# Allegro board 8880F5-0820_5.brd (continued)
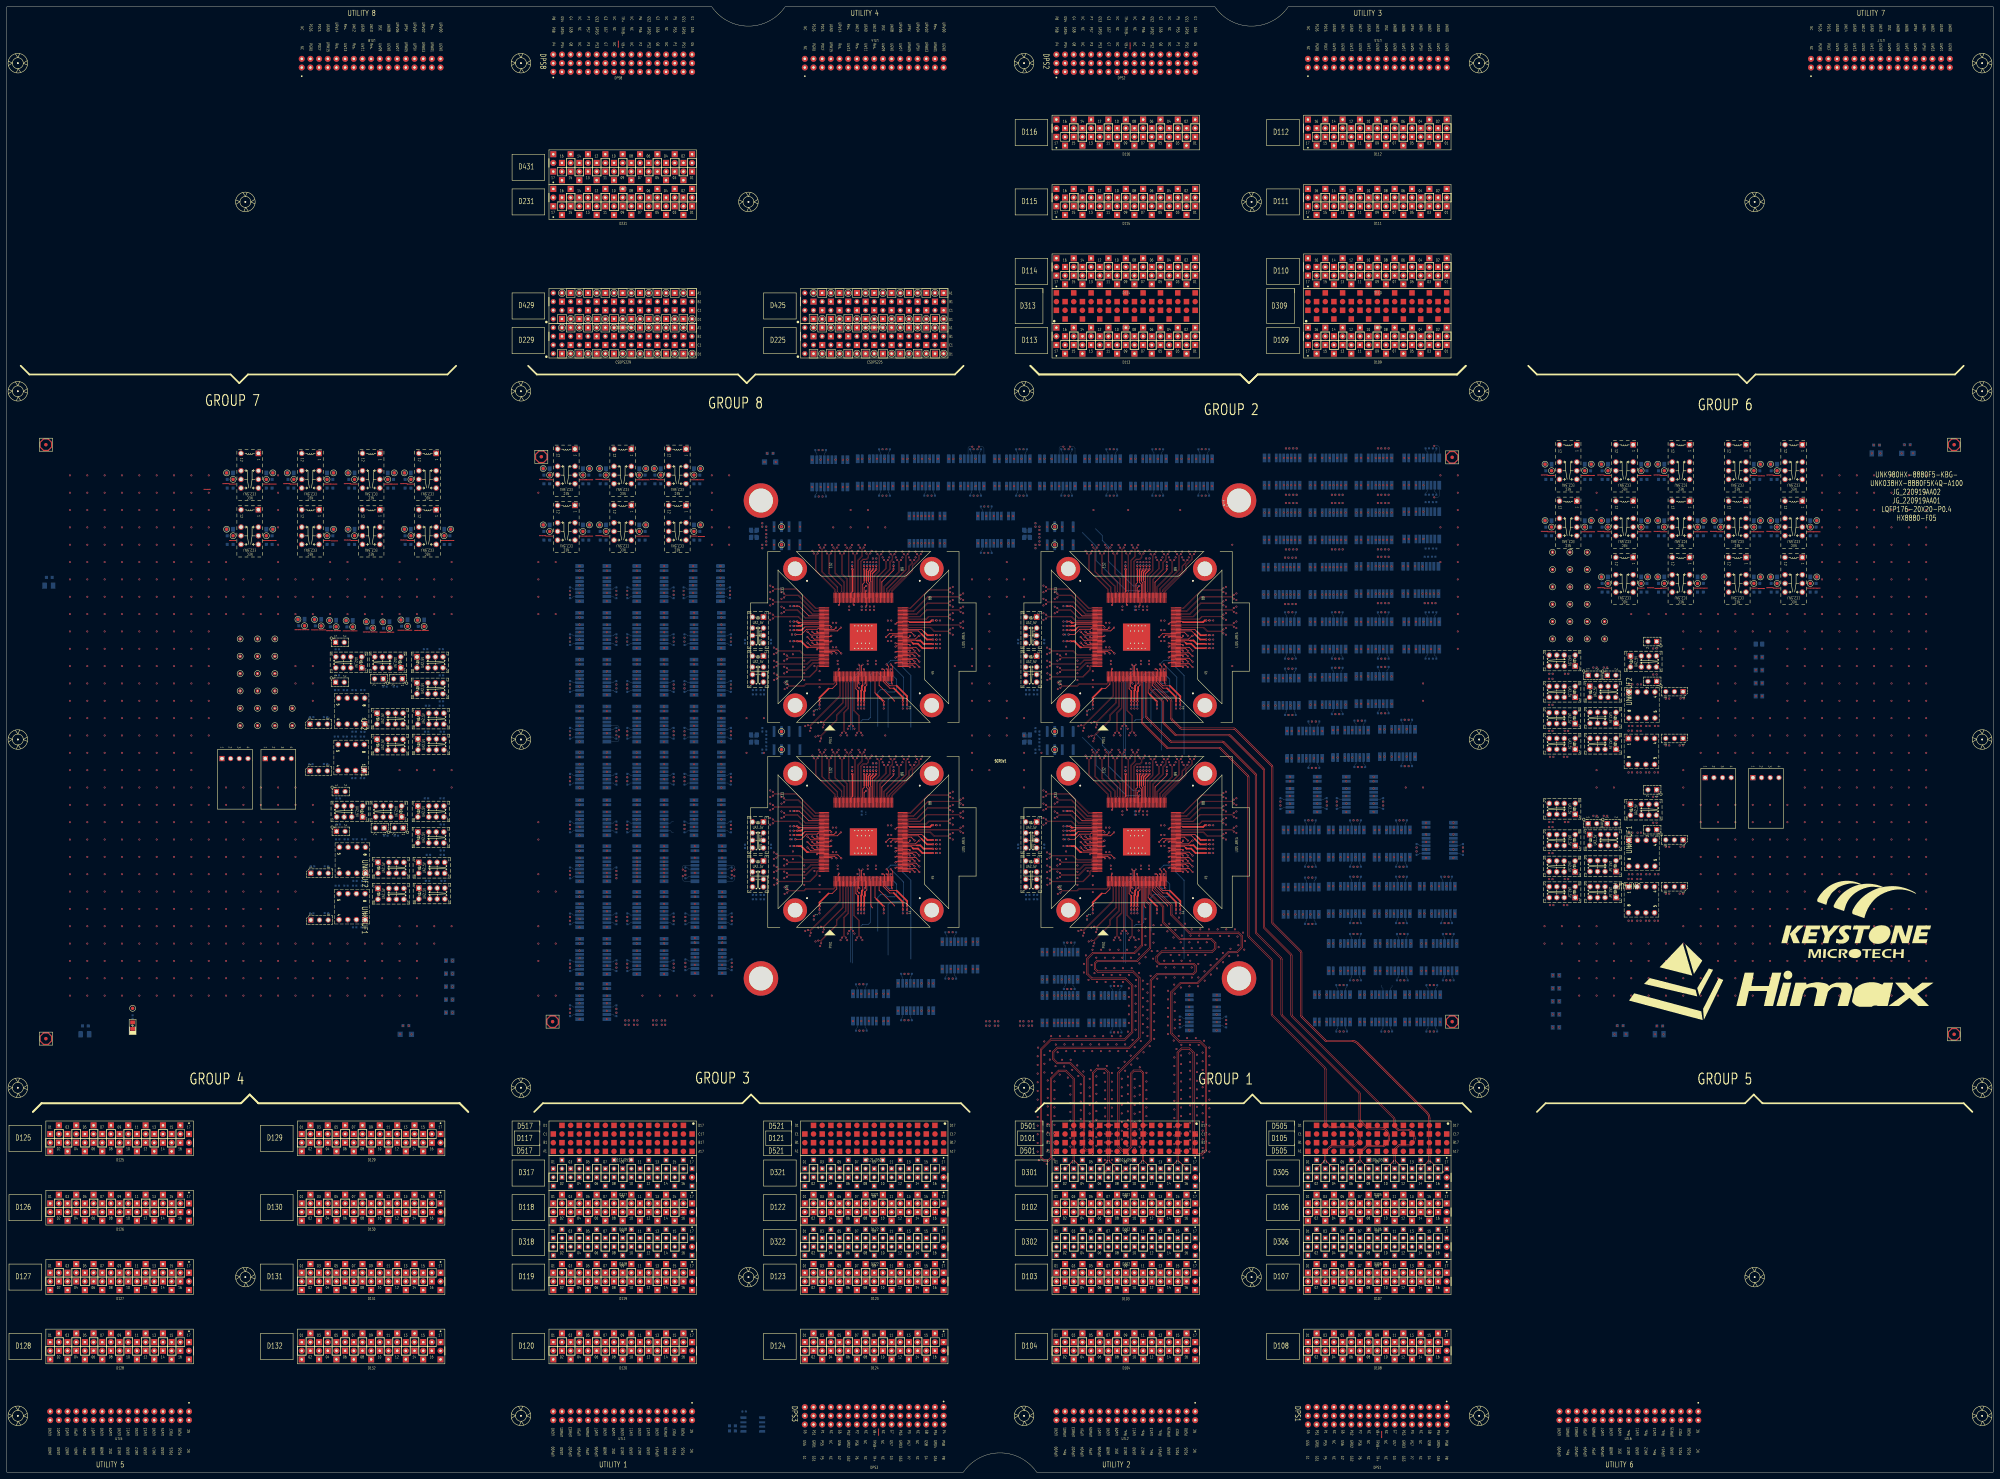
[diagram p0: board, top side]
## Routing (per net, layer and track width the routed paths; a pad name or vN(x,y) marks a point on that pad's centre or on a via; arc(x,y) is an arc through that point) (continued)
D30508: length 192.4
  TOP w0.147: D305.08 396.63,91.05 arc(396.47,91.29) 396.41,91.58 396.41,93.35 arc(396.44,93.48) 396.51,93.6 398.18,95.27 arc(398.29,95.34) 398.42,95.37 403,95.37 arc(403.39,95.45) 403.71,95.67 404.29,96.24 arc(404.75,96.93) 404.91,97.73 404.91,98.2 arc(404.68,99.36) 404.02,100.35 404.02,100.35 arc(403.39,100.76) 402.65,100.91 398.73,100.91 arc(398.6,100.94) 398.49,101.01 396.44,103.06 arc(396.37,103.17) 396.34,103.3 396.34,110.85 arc(396.28,111.13) 396.12,111.37 373.56,133.93 arc(373.49,134.04) 373.46,134.17 373.46,150.26 arc(373.41,150.54) 373.25,150.78 366.06,157.97 arc(365.98,158.08) 365.96,158.21 365.96,204.16 arc(365.9,204.44) 365.74,204.68 356.46,213.96 arc(356.22,214.12) 355.94,214.17 341.07,214.17 arc(340.94,214.2) 340.83,214.27 333.93,221.18 arc(333.85,221.29) 333.83,221.42 333.83,231.32 333.83,231.33 SITE2.30
D30510: length 192.4
  TOP w0.147: D305.10 405.97,91.01 arc(406.13,91.25) 406.19,91.53 406.19,94.3 arc(406.25,94.61) 406.42,94.87 407.29,95.74 arc(407.55,95.91) 407.86,95.97 410.79,95.97 arc(411.11,96.04) 411.38,96.22 arc(411.86,96.94) 412.03,97.79 412.03,97.79 arc(411.82,98.82) 411.24,99.69 arc(410.82,99.97) 410.32,100.07 407.7,100.07 arc(407.42,100.12) 407.18,100.28 406.33,101.13 arc(406.17,101.37) 406.12,101.65 406.12,103.38 arc(406.09,103.51) 406.02,103.62 376.2,133.44 arc(376.04,133.68) 375.98,133.97 375.98,151.27 arc(375.95,151.4) 375.88,151.51 368.14,159.26 arc(367.98,159.49) 367.92,159.78 367.92,205.65 arc(367.9,205.78) 367.82,205.89 358.11,215.6 arc(358,215.68) 357.87,215.7 342.53,215.7 arc(342.25,215.76) 342.01,215.92 338.61,219.32 arc(338.45,219.56) 338.4,219.84 338.4,225.54 arc(338.37,225.67) 338.3,225.79 334.85,229.24 arc(334.69,229.47) 334.63,229.76 334.63,231.32 334.63,231.33 SITE2.32
D30512: length 192.4
  TOP w0.147: D305.12 406.8,91.04 arc(406.64,91.28) 406.58,91.56 406.58,94.3 arc(406.61,94.46) 406.71,94.59 407.57,95.46 arc(407.7,95.55) 407.86,95.58 410.79,95.58 arc(411.26,95.67) 411.66,95.94 arc(412.22,96.79) 412.42,97.79 412.42,97.79 arc(412.19,98.97) 411.52,99.97 411.52,99.97 arc(410.97,100.34) 410.32,100.46 407.7,100.46 arc(407.57,100.49) 407.46,100.56 406.61,101.41 arc(406.54,101.52) 406.51,101.65 406.51,103.38 arc(406.46,103.67) 406.3,103.9 376.48,133.72 arc(376.4,133.84) 376.38,133.97 376.38,151.27 arc(376.32,151.56) 376.16,151.79 368.42,159.54 arc(368.35,159.65) 368.32,159.78 368.32,205.65 arc(368.26,205.93) 368.1,206.17 358.39,215.88 arc(358.15,216.04) 357.87,216.1 342.53,216.1 arc(342.4,216.12) 342.29,216.2 338.89,219.6 arc(338.82,219.71) 338.79,219.84 338.79,225.54 arc(338.74,225.83) 338.58,226.07 335.13,229.52 arc(335.05,229.63) 335.03,229.76 335.03,231.32 335.03,231.33 SITE2.33
D30514: length 192.4
  TOP w0.147: SITE2.35 335.83,231.33 335.83,231.32 335.83,230.95 340.67,226.11 arc(340.75,226) 340.77,225.87 340.77,220.87 arc(340.83,220.59) 340.99,220.35 343.49,217.85 arc(343.73,217.69) 344.01,217.63 359.3,217.63 arc(359.44,217.61) 359.55,217.53 370.26,206.82 arc(370.33,206.71) 370.36,206.58 370.36,161.11 arc(370.41,160.82) 370.57,160.58 378.75,152.41 arc(378.82,152.3) 378.85,152.17 378.85,133.76 arc(378.9,133.48) 379.06,133.24 385.97,126.33 arc(386.21,126.17) 386.49,126.11 393.9,126.11 arc(394.7,125.95) 395.38,125.5 415.74,105.14 arc(416.2,104.46) 416.36,103.65 416.36,91.54 arc(416.3,91.26) 416.14,91.02 D305.14
D30516: length 192.4
  TOP w0.147: SITE2.36 336.23,231.33 336.23,231.32 336.23,231.12 340.95,226.39 arc(341.11,226.15) 341.17,225.87 341.17,220.87 arc(341.2,220.74) 341.27,220.63 343.77,218.13 arc(343.88,218.05) 344.01,218.03 359.3,218.03 arc(359.59,217.97) 359.83,217.81 370.54,207.1 arc(370.7,206.86) 370.75,206.58 370.75,161.11 arc(370.78,160.98) 370.85,160.86 379.03,152.69 arc(379.19,152.45) 379.24,152.17 379.24,133.76 arc(379.27,133.63) 379.34,133.52 386.25,126.61 arc(386.36,126.54) 386.49,126.51 393.9,126.51 arc(394.86,126.32) 395.66,125.78 416.03,105.42 arc(416.57,104.61) 416.76,103.65 416.76,91.55 arc(416.81,91.27) 416.97,91.03 D305.16
Net_1: length 1.5
  TOP w0.231: v1(309.4,245.39) 309.91,245.39 ; v1(229.4,185.39) 229.91,185.39 ; v1(309.4,185.39) 309.91,185.39
  vias: v1(223.55,259.7) v1(223.55,257.77) v1(223.55,255.84) v1(223.55,253.92) v1(223.55,251.61) v1(223.55,249.68) v1(223.55,199.7) v1(223.55,197.77) v1(223.55,195.84) v1(223.55,193.92) v1(223.55,191.61) v1(223.55,189.68) v1(224.6,241.56) v1(224.6,239.63) v1(224.64,237.71) v1(224.64,235.78) v1(224.6,181.56) v1(224.6,179.63) v1(224.64,177.71) v1(224.64,175.78) v1(224.7,234) v1(224.7,232.07) v1(224.7,174) v1(224.7,172.07) v1(226.85,257.77) v1(226.85,255.84) v1(226.85,253.53) v1(226.85,251.61) v1(226.85,197.77) v1(226.85,195.84) v1(226.85,193.54) v1(226.85,191.61) v1(227.63,239.65) v1(227.63,237.72) v1(227.65,235.93) v1(227.65,234) v1(227.63,179.65) v1(227.63,177.72) v1(227.65,175.93) v1(227.65,174) v1(227.75,231.32) v1(227.75,229.39) v1(227.75,171.32) v1(227.75,169.39) v1(230.19,241.84) v1(230.19,239.59) v1(230.19,181.84) v1(230.19,179.59) v1(233.79,218.54) v1(233.79,158.54) v1(235.15,217.18) v1(235.15,157.18) v1(235.89,269.91) v1(235.89,209.91) v1(236.8,215.47) v1(236.8,155.47) v1(237.59,219.55) v1(237.59,159.55) v1(237.77,271.64) v1(237.77,211.64) v1(237.82,269.91) v1(237.82,209.91) v1(238.17,214.11) v1(238.17,154.11) v1(238.96,218.18) v1(238.96,158.18) v1(239.69,271.64) v1(239.75,269.91) v1(239.69,211.64) v1(239.75,209.91) v1(241.62,271.64) v1(241.68,269.91) v1(241.62,211.64) v1(241.68,209.91) v1(243.55,271.64) v1(243.55,211.64) v1(243.61,269.91) v1(243.61,209.91) v1(244.15,215.84) v1(244.15,155.84) v1(245.54,271.63) v1(245.54,269.91) v1(245.54,211.63) v1(245.54,209.91) v1(246.08,215.84) v1(246.08,155.84) v1(246.26,217.79) v1(246.26,157.79) v1(247.47,271.63) v1(247.4,269.91) v1(247.47,211.63) v1(247.4,209.91) v1(248.19,217.79) v1(248.19,157.79) v1(248.6,215.85) v1(248.6,155.85) v1(249.33,269.91) v1(249.33,209.91) v1(249.39,271.63) v1(249.39,211.63) v1(250.53,215.85) v1(250.53,155.85) v1(251.32,271.63) v1(251.32,269.91) v1(251.32,211.63) v1(251.32,209.91) v1(253.25,269.91) v1(253.25,209.91) v1(254.53,269.69) v1(254.53,209.69) v1(256.46,269.69) v1(256.46,267.97) v1(256.46,209.69) v1(256.46,207.97) v1(258.39,269.69) v1(258.39,267.97) v1(258.39,209.69) v1(258.39,207.97) v1(260.32,269.69) v1(260.32,267.97) v1(260.32,209.69) v1(260.32,207.97) v1(262.25,269.69) v1(262.25,267.97) v1(262.25,209.69) v1(262.25,207.97) v1(264.18,269.69) v1(264.18,267.97) v1(264.18,209.69) v1(264.18,207.97) v1(266.11,269.69) v1(266.11,267.97) v1(266.11,209.69) v1(266.11,207.97) v1(268.04,269.69) v1(268.04,209.69) v1(277,259.34) v1(277,257.41) v1(277,255.48) v1(277,253.56) v1(277,251.63) v1(277,249.7) v1(277,247.27) v1(277,245.34) v1(277,199.34) v1(277,197.41) v1(277,195.49) v1(277,193.56) v1(277,191.63) v1(277,189.7) v1(277,187.27) v1(277,185.34) v1(280.05,257.41) v1(280.05,255.48) v1(280.05,253.56) v1(280.05,251.63) v1(280.05,249.19) v1(280.05,247.27) v1(280.05,197.41) v1(280.05,195.49) v1(280.05,193.56) v1(280.05,191.63) v1(280.05,189.19) v1(280.05,187.27) v1(303.55,259.7) v1(303.55,257.77) v1(303.55,255.84) v1(303.55,253.92) v1(303.55,251.61) v1(303.55,249.68) v1(303.55,199.7) v1(303.55,197.77) v1(303.55,195.84) v1(303.55,193.92) v1(303.55,191.61) v1(303.55,189.68) v1(304.6,241.56) v1(304.6,239.63) v1(304.64,237.71) v1(304.64,235.78) v1(304.6,181.56) v1(304.6,179.63) v1(304.64,177.71) v1(304.64,175.78) v1(304.7,234) v1(304.7,232.07) v1(304.7,174) v1(304.7,172.07) v1(306.85,257.77) v1(306.85,255.84) v1(306.85,253.53) v1(306.85,251.61) v1(306.85,197.77) v1(306.85,195.84) v1(306.85,193.54) v1(306.85,191.61) v1(307.63,239.65) v1(307.63,237.72) v1(307.65,235.93) v1(307.65,234) v1(307.63,179.65) v1(307.63,177.72) v1(307.65,175.93) v1(307.65,174) v1(307.75,231.32) v1(307.75,229.39) v1(307.75,171.32) v1(307.75,169.39) v1(310.19,241.84) v1(310.19,239.59) v1(310.19,181.84) v1(310.19,179.59) v1(313.79,218.54) v1(313.79,158.54) v1(315.15,217.18) v1(315.15,157.18) v1(315.89,269.91) v1(315.89,209.91) v1(316.8,215.47) v1(316.8,155.47) v1(317.59,219.55) v1(317.59,159.55) v1(317.77,271.64) v1(317.77,211.64) v1(317.82,269.91) v1(317.82,209.91) v1(318.16,214.11) v1(318.16,154.11) v1(318.95,218.18) v1(318.95,158.18) v1(319.69,271.64) v1(319.75,269.91) v1(319.69,211.64) v1(319.75,209.91) v1(321.62,271.64) v1(321.68,269.91) v1(321.62,211.64) v1(321.68,209.91) v1(323.55,271.64) v1(323.55,211.64) v1(323.61,269.91) v1(323.61,209.91) v1(324.15,215.84) v1(324.15,155.84) v1(325.54,271.63) v1(325.54,269.91) v1(325.54,211.63) v1(325.54,209.91) v1(326.08,215.84) v1(326.08,155.84) v1(326.26,217.79) v1(326.26,157.79) v1(327.47,271.63) v1(327.4,269.91) v1(327.47,211.63) v1(327.4,209.91) v1(328.19,217.79) v1(328.19,157.79) v1(328.6,215.85) v1(328.6,155.85) v1(329.33,269.91) v1(329.33,209.91) v1(329.39,271.63) v1(329.39,211.63) v1(330.53,215.85) v1(330.53,155.85) v1(331.32,271.63) v1(331.32,269.91) v1(331.32,211.63) v1(331.32,209.91) v1(333.25,269.91) v1(333.25,209.91) v1(334.53,209.69) v1(334.61,270.04) v1(336.46,269.69) v1(336.46,267.97) v1(336.46,209.69) v1(336.46,207.97) v1(338.39,269.69) v1(338.39,267.97) v1(338.39,209.69) v1(338.39,207.97) v1(340.32,269.69) v1(340.32,267.97) v1(340.32,209.69) v1(340.32,207.97) v1(342.25,269.69) v1(342.25,267.97) v1(342.25,209.69) v1(342.25,207.97) v1(344.18,269.69) v1(344.18,267.97) v1(344.18,209.69) v1(344.18,207.97) v1(346.11,269.69) v1(346.11,267.97) v1(346.11,209.69) v1(346.11,207.97) v1(348.04,269.69) v1(348.04,209.69) v1(357,259.34) v1(357,257.41) v1(357,255.48) v1(357,253.56) v1(357,251.63) v1(357,249.7) v1(357,247.27) v1(357,245.34) v1(357,199.34) v1(357,197.41) v1(357,195.49) v1(357,193.56) v1(357,191.63) v1(357,189.7) v1(357,187.27) v1(357,185.34) v1(360.05,257.41) v1(360.05,255.48) v1(360.05,253.56) v1(360.05,251.63) v1(360.05,249.19) v1(360.05,247.27) v1(360.05,197.41) v1(360.05,195.49) v1(360.05,193.56) v1(360.05,191.63) v1(360.05,189.19) v1(360.05,187.27)
Net_2: length 0.4
  BOTTOM w0.119: 242.67,241.63 v1(242.87,241.63) ; 242.07,241.63 v1(241.87,241.63)
  vias: v1(233.5,237.74) v1(233.5,235.89) v1(233.5,234.03) v1(233.5,232.05) v1(233.5,177.74) v1(233.5,175.89) v1(233.5,174.03) v1(233.5,172.05) v1(236.49,236.12) v1(236.49,176.12) v1(237.99,234.65) v1(237.99,232.05) v1(237.99,229.95) v1(237.99,174.65) v1(237.99,172.05) v1(237.99,169.95) v1(241.87,248.83) v1(241.87,188.83) v1(241.87,181.63) v1(242.87,248.83) v1(242.87,188.83) v1(242.87,181.63) v1(243.28,237.69) v1(243.28,236.69) v1(243.28,177.69) v1(243.28,176.69) v1(246.67,253.59) v1(246.67,252.59) v1(249.1,235.23) v1(249.1,175.23) v1(252.08,237.69) v1(252.08,236.69) v1(252.08,177.69) v1(252.08,176.69) v1(252.74,253.59) v1(252.74,252.59) v1(253.94,253.59) v1(253.94,252.59) v1(254.48,237.69) v1(254.48,236.69) v1(254.48,177.69) v1(254.48,176.69) v1(257.99,249.47) v1(257.99,243.47) v1(257.99,189.47) v1(257.99,183.47) v1(259,249.47) v1(259,243.47) v1(259,189.47) v1(259,183.47) v1(313.5,237.74) v1(313.5,235.89) v1(313.5,234.03) v1(313.5,232.05) v1(313.5,177.74) v1(313.5,175.89) v1(313.5,174.03) v1(313.5,172.05) v1(316.49,236.12) v1(316.49,176.12) v1(317.99,234.65) v1(317.99,232.05) v1(317.99,229.95) v1(317.99,174.65) v1(317.99,172.05) v1(317.99,169.95) v1(321.87,248.83) v1(321.87,241.63) v1(321.87,188.83) v1(321.87,181.63) v1(322.87,248.83) v1(322.87,241.63) v1(322.87,188.83) v1(322.87,181.63) v1(323.28,237.69) v1(323.28,236.69) v1(323.28,177.69) v1(323.28,176.69) v1(326.67,253.59) v1(326.67,252.59) v1(326.67,193.59) v1(326.67,192.59) v1(329.1,235.23) v1(329.1,175.23) v1(332.08,237.69) v1(332.08,236.69) v1(332.08,177.69) v1(332.08,176.69) v1(332.74,253.59) v1(332.74,252.59) v1(332.74,193.59) v1(332.74,192.59) v1(333.94,253.59) v1(333.94,252.59) v1(333.94,193.59) v1(333.94,192.59) v1(334.48,237.69) v1(334.48,236.69) v1(334.48,177.69) v1(334.48,176.69) v1(337.99,249.47) v1(337.99,243.47) v1(337.99,189.47) v1(337.99,183.47) v1(339,249.47) v1(339,243.47) v1(339,189.47) v1(339,183.47)
Net_1691: length 3
  BOTTOM w0.119: 195.26,190.59 194.78,190.59 194.3,190.12 192.47,190.12
Net_1692: length 3
  BOTTOM w0.119: 195.26,187.45 194.78,187.45 194.3,187.92 192.47,187.92
Net_2069: length 3
  BOTTOM w0.119: 402.97,139.89 402.97,141.73 402.5,142.2 402.5,142.68
Net_2070: length 3
  BOTTOM w0.119: 405.17,139.89 405.17,141.73 405.64,142.2 405.64,142.68
S1_1TX_100DCH001+:
  vias: v1(267.84,280.1) v2(178.5,217.02)
S1_1TX_100DCH001-:
  vias: v1(267.84,272.1) v2(178.5,215.88)
S1_1TX_100DCH002+: length 17.2
  TOP w0.086: SITE1.75 263.98,248.03 264.06,248.11 278.84,248.11 v1(279.29,247.66)
  vias: v2(164.91,217.02)
S1_1TX_100DCH002-: length 17.2
  TOP w0.086: SITE1.76 263.98,248.43 264.06,248.35 278.84,248.35 v1(279.29,248.8)
  vias: v2(164.91,215.88)
S1_1TX_100DCH003+: length 14.5
  TOP w0.086: SITE1.79 263.98,249.63 264.06,249.71 269.2,249.71 270.02,250.53 275.8,250.53 v1(276.24,250.09)
  vias: v2(212.03,230.74)
S1_1TX_100DCH003-: length 14.5
  TOP w0.086: v1(276.24,251.23) 275.78,250.77 269.92,250.77 269.1,249.95 264.06,249.95 263.98,250.03 SITE1.80
  vias: v2(212.03,229.6)
S1_1TX_100DCH004+: length 18
  TOP w0.086: v1(279.29,252.02) 278.8,252.51 269.46,252.51 267.46,250.51 264.06,250.51 263.98,250.43 SITE1.81
  vias: v2(198.44,230.74)
S1_1TX_100DCH004-: length 18
  TOP w0.086: v1(279.29,253.16) 278.88,252.75 269.36,252.75 267.37,250.75 264.06,250.75 263.98,250.83 SITE1.82
  vias: v1(198.44,229.6)
S1_1TX_100DCH005+: length 15.4
  TOP w0.086: v1(276.24,253.95) 275.8,254.39 269.61,254.39 266.53,251.31 264.06,251.31 263.98,251.23 SITE1.83
  vias: v2(296.56,299.66)
S1_1TX_100DCH005-: length 15.4
  TOP w0.086: SITE1.84 263.98,251.63 264.06,251.55 266.43,251.55 269.51,254.63 275.78,254.63 v1(276.24,255.09)
  vias: v2(297.71,299.66)
S1_1TX_100DCH006+: length 19
  TOP w0.086: SITE1.85 263.98,252.03 264.06,252.11 265.58,252.11 269.82,256.36 278.81,256.36 v1(279.29,255.88)
  vias: v2(296.56,286.07)
S1_1TX_100DCH006-: length 18.9
  TOP w0.086: SITE1.86 263.98,252.43 264.06,252.35 265.48,252.35 269.73,256.6 278.87,256.6 v1(279.29,257.02)
  vias: v2(297.71,286.07)
S1_1TX_100DCH007+: length 16.3
  TOP w0.086: v1(276.24,257.81) 275.83,258.23 269.88,258.23 264.57,252.91 264.06,252.91 263.98,252.83 SITE1.87
  vias: v2(309.77,299.66)
S1_1TX_100DCH007-: length 16.4
  TOP w0.086: SITE1.88 263.98,253.23 264.06,253.15 264.47,253.15 269.78,258.47 275.76,258.47 v1(276.24,258.95)
  vias: v2(310.92,299.66)
S1_2AUX+:
  vias: v1(184.65,132.33) v1(184.65,131.06)
S1_2AUX-:
  vias: v1(181.11,131.06) v1(182.11,132.33)
S1_2TX_100DCH001+: length 16.3
  TOP w0.086: v1(267.64,268.93) 267.21,268.5 267.21,267.41 265.32,265.52 265.32,264.13 259.35,258.16 259.35,257.86 259.43,257.78 SITE1.89
  vias: v2(309.77,286.07)
S1_2TX_100DCH001-: length 16.3
  TOP w0.086: SITE1.90 259.03,257.78 259.11,257.86 259.11,258.26 265.08,264.23 265.08,265.62 266.97,267.51 266.97,268.46 ; v1(266.5,268.93) 266.97,268.46 ; 266.97,268.46 266.97,268.48
  vias: v2(310.92,286.07)
S1_2TX_100DCH002+: length 14.1
  TOP w0.086: SITE1.91 258.63,257.78 258.55,257.86 258.55,258.23 264.35,264.04 264.35,265.37 265.28,266.31 265.28,266.78 v1(265.72,267.21)
  vias: v2(349.9,299.66)
S1_2TX_100DCH002-: length 14.1
  TOP w0.086: v1(264.57,267.21) 265.04,266.74 265.04,266.4 264.11,265.47 264.11,264.13 258.31,258.33 258.31,257.86 258.23,257.78 SITE1.92
  vias: v2(351.05,299.66)
S1_2TX_100DCH003+: length 15.3
  TOP w0.086: v1(263.79,268.93) 263.34,268.49 263.34,264.27 257.75,258.68 257.75,257.86 257.83,257.78 SITE1.93
  vias: v2(349.9,286.07)
S1_2TX_100DCH003-: length 15.3
  TOP w0.086: v1(262.64,268.93) 263.1,268.47 263.1,264.37 257.51,258.78 257.51,257.86 257.43,257.78 SITE1.94
  vias: v2(351.05,286.07)
S1_2TX_100DCH004+: length 13.1
  TOP w0.086: SITE1.95 257.03,257.78 256.95,257.86 256.95,259.28 261.41,263.74 261.41,266.77 v1(261.86,267.21)
  vias: v2(336.44,299.66)
S1_2TX_100DCH004-: length 13.2
  TOP w0.086: SITE1.96 256.63,257.78 256.71,257.86 256.71,259.38 261.17,263.84 261.17,266.75 v1(260.71,267.21)
  vias: v2(337.59,299.66)
S1_2TX_100DCH005+: length 14.6
  TOP w0.086: v1(259.93,268.93) 259.46,268.47 259.46,267.3 258.7,266.53 258.7,264.43 255.75,261.48 255.75,257.86 255.83,257.78 SITE1.98
  vias: v2(336.44,286.07)
S1_2TX_100DCH005-: length 14.6
  TOP w0.086: v1(258.78,268.93) 259.23,268.49 259.23,267.39 258.46,266.63 258.46,264.53 255.51,261.58 255.51,257.86 255.43,257.78 SITE1.99
  vias: v2(337.59,286.07)
S1_2TX_100DCH006+: length 12.4
  TOP w0.086: SITE1.100 255.03,257.78 254.95,257.86 254.95,262.07 257.55,264.67 257.55,266.76 v1(258,267.21)
  vias: v2(322.98,299.66)
S1_2TX_100DCH006-: length 12.4
  TOP w0.086: v1(256.85,267.21) 257.31,266.76 257.31,264.77 254.71,262.17 254.71,257.86 254.63,257.78 SITE1.101
  vias: v2(324.12,299.66)
S1_2TX_100DCH007+: length 13.6
  TOP w0.086: v1(256.07,268.93) 255.64,268.51 255.64,264.07 254.15,262.58 254.15,257.86 254.23,257.78 SITE1.102
  vias: v2(322.98,286.07)
S1_2TX_100DCH007-: length 13.7
  TOP w0.086: v1(254.93,268.93) 255.4,268.46 255.4,264.17 253.91,262.68 253.91,257.86 253.83,257.78 SITE1.103
  vias: v2(324.12,286.07)
S1_3TX_100DCH002+: length 15.4
  TOP w0.086: v1(250.93,270.87) 250.46,270.4 250.46,268.18 249.35,267.06 249.35,257.86 249.43,257.78 SITE1.114
  vias: v2(269.64,286.07)
S1_3TX_100DCH002-: length 15.4
  TOP w0.086: v1(249.79,270.87) 250.22,270.43 250.22,268.28 249.11,267.16 249.11,257.86 249.03,257.78 SITE1.115
  vias: v2(270.78,286.07)
S1_3TX_100DCH003+: length 13.2
  TOP w0.086: SITE1.116 248.63,257.78 248.55,257.86 248.55,268.77 v1(248.93,269.15)
  vias: v2(287.38,269.3)
S1_3TX_100DCH003-: length 13.3
  TOP w0.086: v1(247.79,269.15) 248.31,268.63 248.31,257.86 248.23,257.78 SITE1.117
  vias: v2(286.24,269.3)
S1_3TX_100DCH004+: length 15.1
  TOP w0.086: v1(247.07,270.87) 246.61,270.41 246.61,262.62 246.95,262.28 246.95,257.86 247.03,257.78 SITE1.120
  vias: v2(287.38,282.89)
S1_3TX_100DCH004-: length 15.1
  TOP w0.086: v1(245.93,270.87) 246.38,270.42 246.38,262.52 246.71,262.19 246.71,257.86 246.63,257.78 SITE1.121
  vias: v2(286.24,282.89)
S1_3TX_100DCH005+: length 13.8
  TOP w0.086: v1(245.14,269.15) 244.69,268.7 244.69,263.17 246.15,261.71 246.15,257.86 246.23,257.78 SITE1.122
  vias: v2(238.87,285.81)
S1_3TX_100DCH005-: length 13.8
  TOP w0.086: SITE1.123 245.83,257.78 245.91,257.86 245.91,261.61 244.46,263.07 244.46,268.69 v1(244,269.15)
  vias: v2(237.72,285.81)
S1_3TX_100DCH006+: length 16.1
  TOP w0.086: SITE1.124 245.43,257.78 245.35,257.86 245.35,260.75 242.73,263.37 242.73,270.45 v1(243.16,270.88)
  vias: v2(238.87,299.4)
S1_3TX_100DCH006-: length 16.1
  TOP w0.086: v1(242.02,270.88) 242.49,270.41 242.49,263.28 245.11,260.65 245.11,257.86 245.03,257.78 SITE1.125
  vias: v2(237.72,299.4)
S1_3TX_100DCH007+: length 14.8
  TOP w0.086: v1(241.28,269.15) 240.83,268.7 240.83,263.34 244.55,259.62 244.55,257.86 244.63,257.78 SITE1.126
  vias: v2(256.43,299.66)
S1_3TX_100DCH007-: length 14.8
  TOP w0.086: SITE1.127 244.23,257.78 244.31,257.86 244.31,259.52 240.59,263.24 240.59,268.7 v1(240.14,269.15)
  vias: v2(257.58,299.66)
S1_4TX_100DCH001+: length 16.8
  TOP w0.086: v1(239.3,270.88) 238.85,270.43 238.85,263.79 243.35,259.29 243.35,257.86 243.43,257.78 SITE1.129
  vias: v2(256.43,286.07)
S1_4TX_100DCH001-: length 16.8
  TOP w0.086: v1(238.16,270.88) 238.61,270.43 238.61,263.69 243.11,259.19 243.11,257.86 243.03,257.78 SITE1.130
  vias: v2(257.58,286.07)
S1_4TX_100DCH002+: length 15.6
  TOP w0.086: v1(237.43,269.15) 236.97,268.69 236.97,264.24 242.55,258.66 242.55,257.86 242.63,257.78 SITE1.131
  vias: v2(283.1,299.66)
S1_4TX_100DCH002-: length 15.6
  TOP w0.086: v1(236.28,269.15) 236.73,268.71 236.73,264.14 242.31,258.56 242.31,257.86 242.23,257.78 SITE1.132
  vias: v2(284.25,299.66)
S1_4TX_100DCH003+: length 17.6
  TOP w0.086: v1(224.31,259.31) 224.75,258.87 231.22,258.87 236.94,253.15 237.6,253.15 237.68,253.23 SITE1.133
  vias: v2(283.1,286.07)
S1_4TX_100DCH003-: length 17.6
  TOP w0.086: SITE1.134 237.68,252.83 237.6,252.91 236.84,252.91 231.12,258.63 224.77,258.63 v1(224.31,258.17)
  vias: v2(284.25,286.07)
S1_4TX_100DCH004+: length 13.8
  TOP w0.086: v1(227.6,257.38) 228.04,256.95 231.86,256.95 236.46,252.35 237.6,252.35 237.68,252.43 SITE1.135
  vias: v2(178.5,258.17)
S1_4TX_100DCH004-: length 13.9
  TOP w0.086: SITE1.136 237.68,252.03 237.6,252.11 236.36,252.11 231.76,256.71 228.07,256.71 v1(227.6,256.24)
  vias: v2(178.5,257.03)
S1_4TX_100DCH005+: length 16.7
  TOP w0.086: SITE1.137 237.68,251.63 237.6,251.55 235.88,251.55 232.43,255.01 224.75,255.01 v1(224.31,255.45)
  vias: v2(164.91,258.17)
S1_4TX_100DCH005-: length 16.7
  TOP w0.086: SITE1.138 237.68,251.23 237.6,251.31 235.78,251.31 232.33,254.77 224.76,254.77 v1(224.31,254.31)
  vias: v2(164.91,257.03)
S1_4TX_100DCH006+: length 12.9
  TOP w0.086: v1(227.6,253.14) 228.04,252.7 231.52,252.7 233.88,250.35 237.6,250.35 237.68,250.43 SITE1.140
  vias: v2(195.26,258.17)
S1_4TX_100DCH006-: length 12.9
  TOP w0.086: v1(227.6,252) 228.06,252.46 231.43,252.46 233.78,250.11 237.6,250.11 237.68,250.03 SITE1.141
  vias: v1(195.26,257.03)
S1_4TX_100DCH007+: length 15.7
  TOP w0.086: SITE1.142 237.68,249.63 237.6,249.55 233.04,249.55 231.83,250.76 224.76,250.76 v1(224.31,251.21)
  vias: v2(181.67,258.17)
S1_4TX_100DCH007-: length 15.7
  TOP w0.086: SITE1.143 237.68,249.23 237.6,249.31 232.94,249.31 231.73,250.52 224.76,250.52 v1(224.31,250.07)
  vias: v2(181.67,257.03)
S1_AUX_100DCH002+:
  vias: v1(183.65,132.33)
S1_AUX_100DCH002-:
  vias: v1(181.11,132.33)
S1_AUXCH+: length 24
  TOP w0.203: SITE1.21 250.23,236.2 v2(250.6,236.57)
  BOTTOM w0.203: v2(250.6,236.57) 250.3,236.28 250.3,234.52 247.57,231.79 247.57,217.42
S1_AUXCH-: length 24
  TOP w0.203: v2(249.46,236.57) 249.83,236.2 SITE1.20
  BOTTOM w0.203: 247.03,217.42 247.03,232.02 249.76,234.75 249.76,236.28 v2(249.46,236.57)
S1_AVDD11_RX: length 8.4
  TOP w0.231: 254.67,227.85 254.23,228.29 SITE1.31
  TOP w0.508: v1(256.77,225.75) 254.67,227.85
  vias: v1(256.77,223.71)
S1_AVDD11_XTAL: length 8.8
  TOP w0.231: 252.87,261.45 252.87,261.11 253.03,260.95 SITE1.105
  TOP w0.381: 252.87,261.45 252.87,263.59 253.72,264.44 v1(253.72,264.54)
  vias: v1(253.72,266.58)
S1_AVDD18_RX: length 7.7
  TOP w0.231: SITE1.25 251.83,230.56 251.28,230.01
  TOP w0.508: 251.28,230.01 251.28,228.9 251.06,228.68 v1(251.06,225.75)
  vias: v1(251.06,223.71)
S1_DCH041: length 2.2
  TOP w0.231: v1(237.23,243.03) 237.43,242.83 SITE1.159
S1_DCH042: length 3.7
  TOP w0.231: SITE1.160 236.43,242.43 v1(235.83,243.03)
S1_DCH043: length 5.3
  TOP w0.231: SITE1.161 235.44,242.03 v1(234.44,243.03)
S1_DCH044: length 2.2
  TOP w0.231: SITE1.163 237.43,241.23 v1(237.23,241.03)
S1_DCH045: length 5.4
  TOP w0.231: v1(244.35,239.83) 243.35,240.83 SITE1.164
S1_DCH046: length 3.9
  TOP w0.231: SITE1.165 242.35,240.43 v1(242.95,239.83)
S1_DCH047: length 2.3
  TOP w0.231: SITE1.166 241.36,240.03 v1(241.56,239.83)
S1_DCH048:
  vias: v1(229.05,276.97)
S1_DCH049:
  vias: v1(229.05,271.67)
S1_DPS_F_001:
  vias: v1(182.11,131.06)
S1_DPS_F_002: length 10.1
  TOP w0.119: v1(237.98,223.71) 237.98,223.75
  TOP w0.231: 240.65,229.55 241.72,229.55 243.03,230.86 SITE1.3
  TOP w0.508: 240.65,229.55 237.98,226.88 v1(237.98,225.75)
  vias: v1(236.32,222.9)
S1_DPS_F_003: length 63.1
  TOP w0.231: 265.2,242.93 264.9,243.23 SITE1.63 ; SITE1.107 252.23,260.11 251.69,260.65 251.69,261.16 ; 232.83,248.18 233.08,248.43 SITE1.145 ; 259.73,229.66 258.57,229.66 256.63,231.59 SITE1.37 ; 267.84,245.53 266.94,246.43 SITE1.71 ; 249.28,228.85 248.63,229.5 SITE1.17 ; 234.63,241.63 SITE1.162
  TOP w0.381: v1(251.94,264.54) 251.69,264.28 251.69,261.16
  TOP w0.508: v1(231.44,247.93) 232.58,247.93 232.83,248.18 ; 265.2,242.93 265.45,242.67 266.8,242.67 268.11,241.37 v1(271.22,241.37) ; v1(271.22,243.91) 269.46,243.91 267.84,245.53 ; 259.73,229.66 262.36,227.02 v1(262.36,225.75) ; 234.63,241.63 234.37,241.63 232.59,243.41 v1(231.44,243.41) ; v1(249.28,225.75) 249.28,228.85
  vias: v1(229.4,247.93) v1(229.4,243.41) v1(249.28,223.71) v1(251.54,252.59) v1(251.94,266.58) v1(262.36,223.71) v1(273.27,243.91) v1(273.27,241.37)
S1_DPS_F_006: length 9.8
  TOP w0.231: SITE1.72 267.92,246.83 268.55,246.19
  TOP w0.508: 268.55,246.19 269.56,245.18 v1(271.22,245.18)
  BOTTOM w0.119: CC40.1 v1(259,246.67)
  vias: v1(273.27,245.18)
S1_DPS_F_007: length 19.2
  TOP w0.231: 264.37,249.01 264.15,249.23 SITE1.78
  TOP w0.254: SITE1.97 256.23,260.8 259.65,264.22 v1(259.65,264.54) CD11.1
  TOP w0.508: v1(271.22,249.5) 270.8,249.5 270.31,249.01 264.37,249.01
  BOTTOM w0.119: CC27.1 v1(273.27,249.5)
  vias: v1(259.65,266.58)
S1_DPS_F_009: length 8.8
  TOP w0.231: SITE1.106 252.63,260.53 252.26,260.9 252.26,261.12
  TOP w0.381: 252.26,261.12 252.26,263.82 252.83,264.39 v1(252.83,264.54)
  vias: v1(252.83,266.58) v1(253.61,267.66)
S1_DPS_F_010: length 8.6
  TOP w0.231: SITE1.111 250.63,260.15 251.05,260.57 251.05,261.13
  TOP w0.381: 251.05,261.13 v1(251.05,264.54)
  vias: v1(250.34,253.59) v1(251.05,266.58)
S1_DPS_F_011: length 17.6
  TOP w0.231: v1(231.44,253.69) 232.01,253.69 234.87,250.83 SITE1.139 ; SITE1.119 247.43,257.79 247.64,258.01
  TOP w0.508: 247.64,258.01 247.64,264.47 v1(247.57,264.54)
  vias: v1(229.4,253.69) v1(247.57,266.58)
